# Altium PCB PCB1.PcbDoc
Units mm, origin at the board's own origin, x right, y up, seen from the top; angles counter-clockwise.
Board outline 110 x 110 mm, 2 copper layers (Top Layer, Bottom Layer); 80 components, 63 nets, 300 pads, 0 vias.
Unrouted connection lines stored in the file: 4.
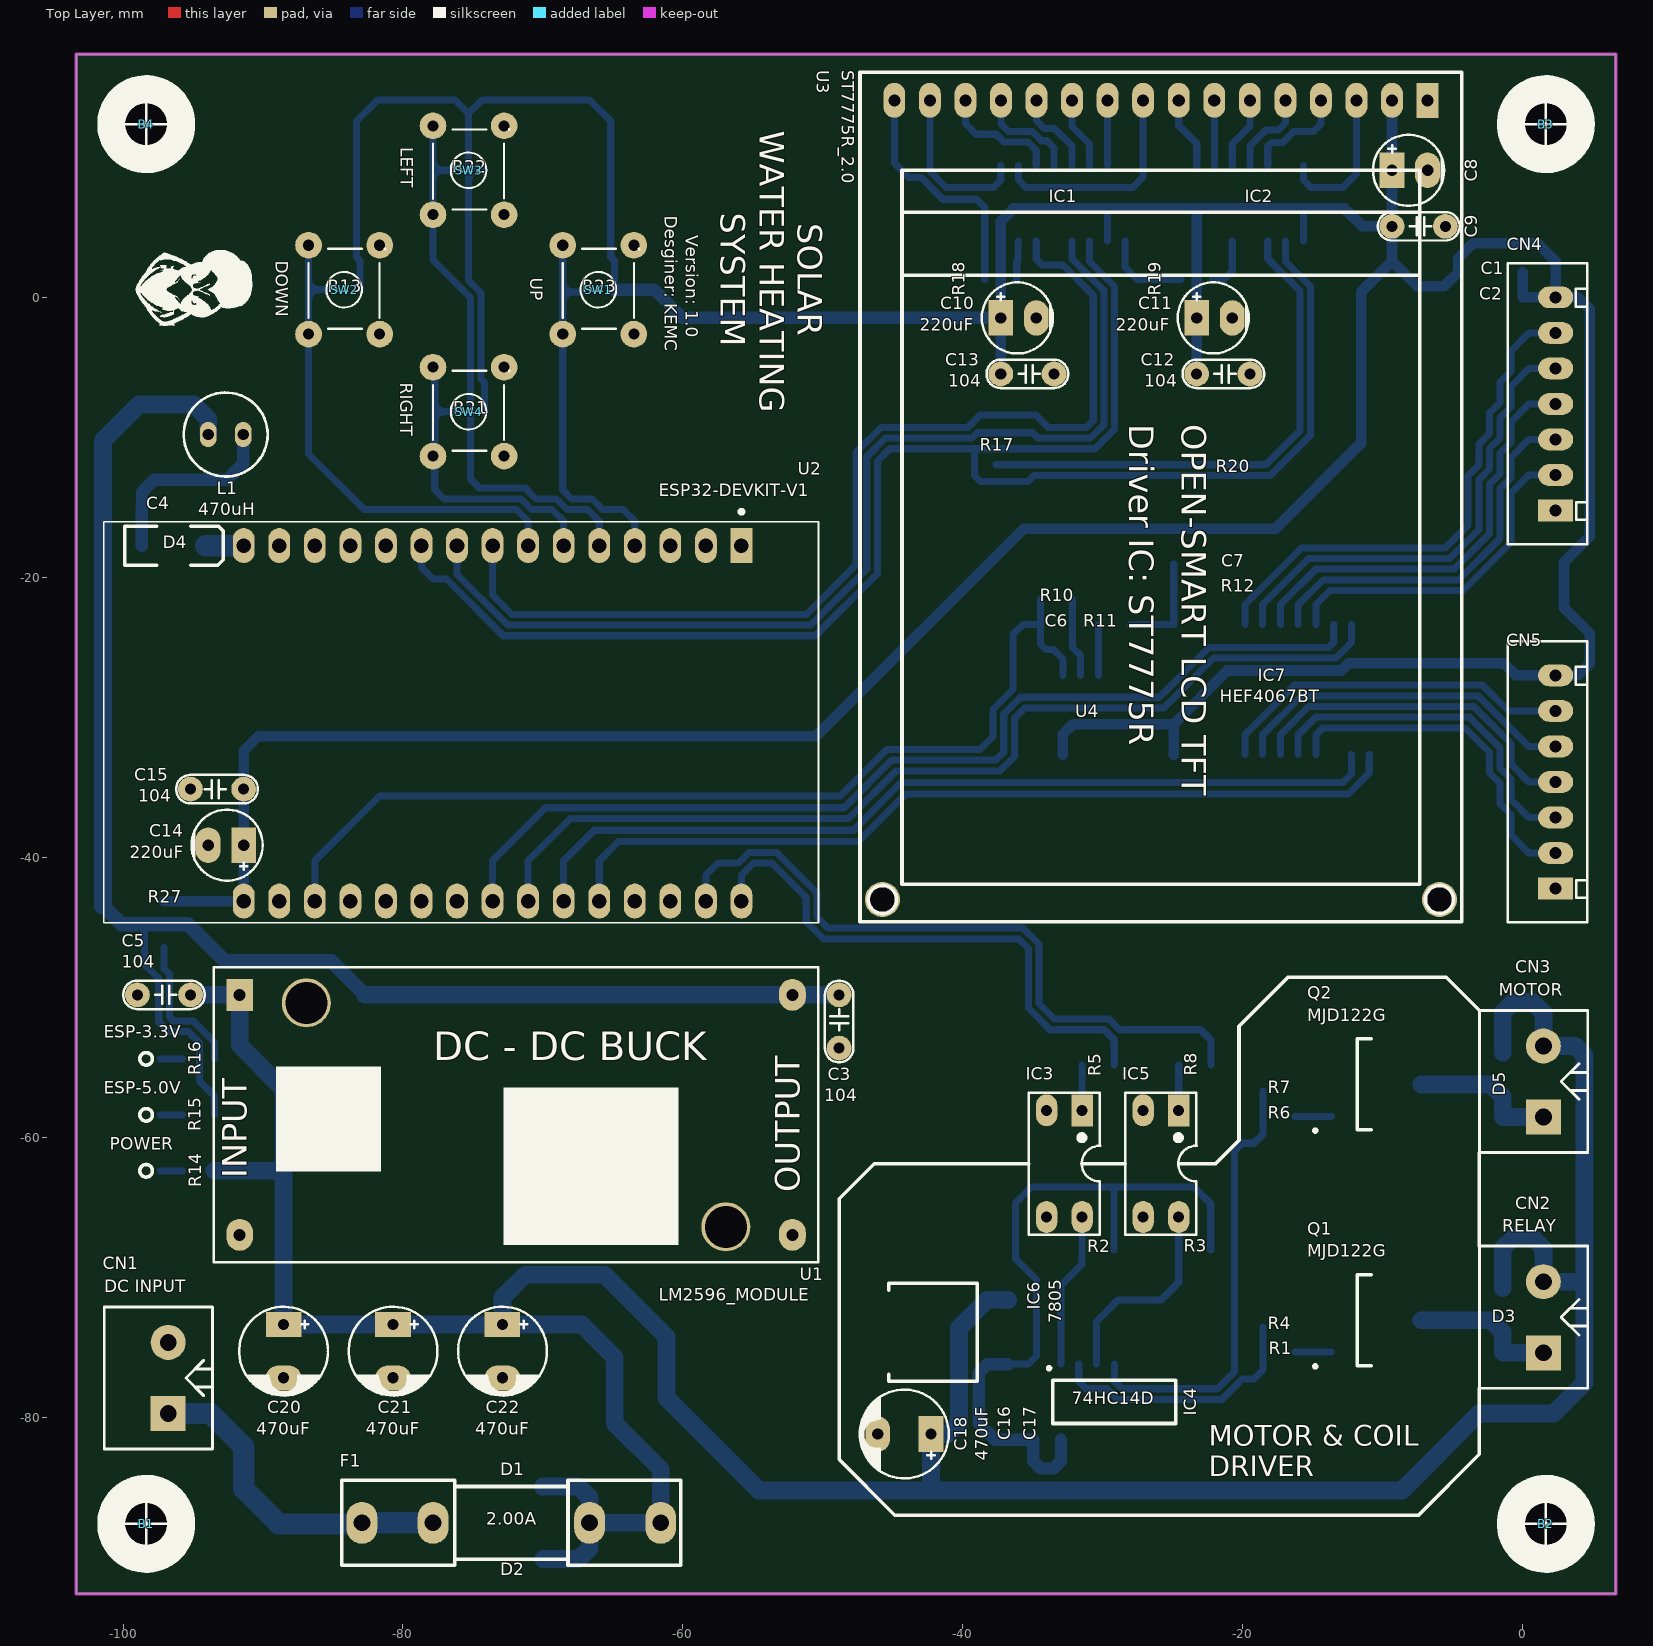
[diagram p0: Top Layer view]
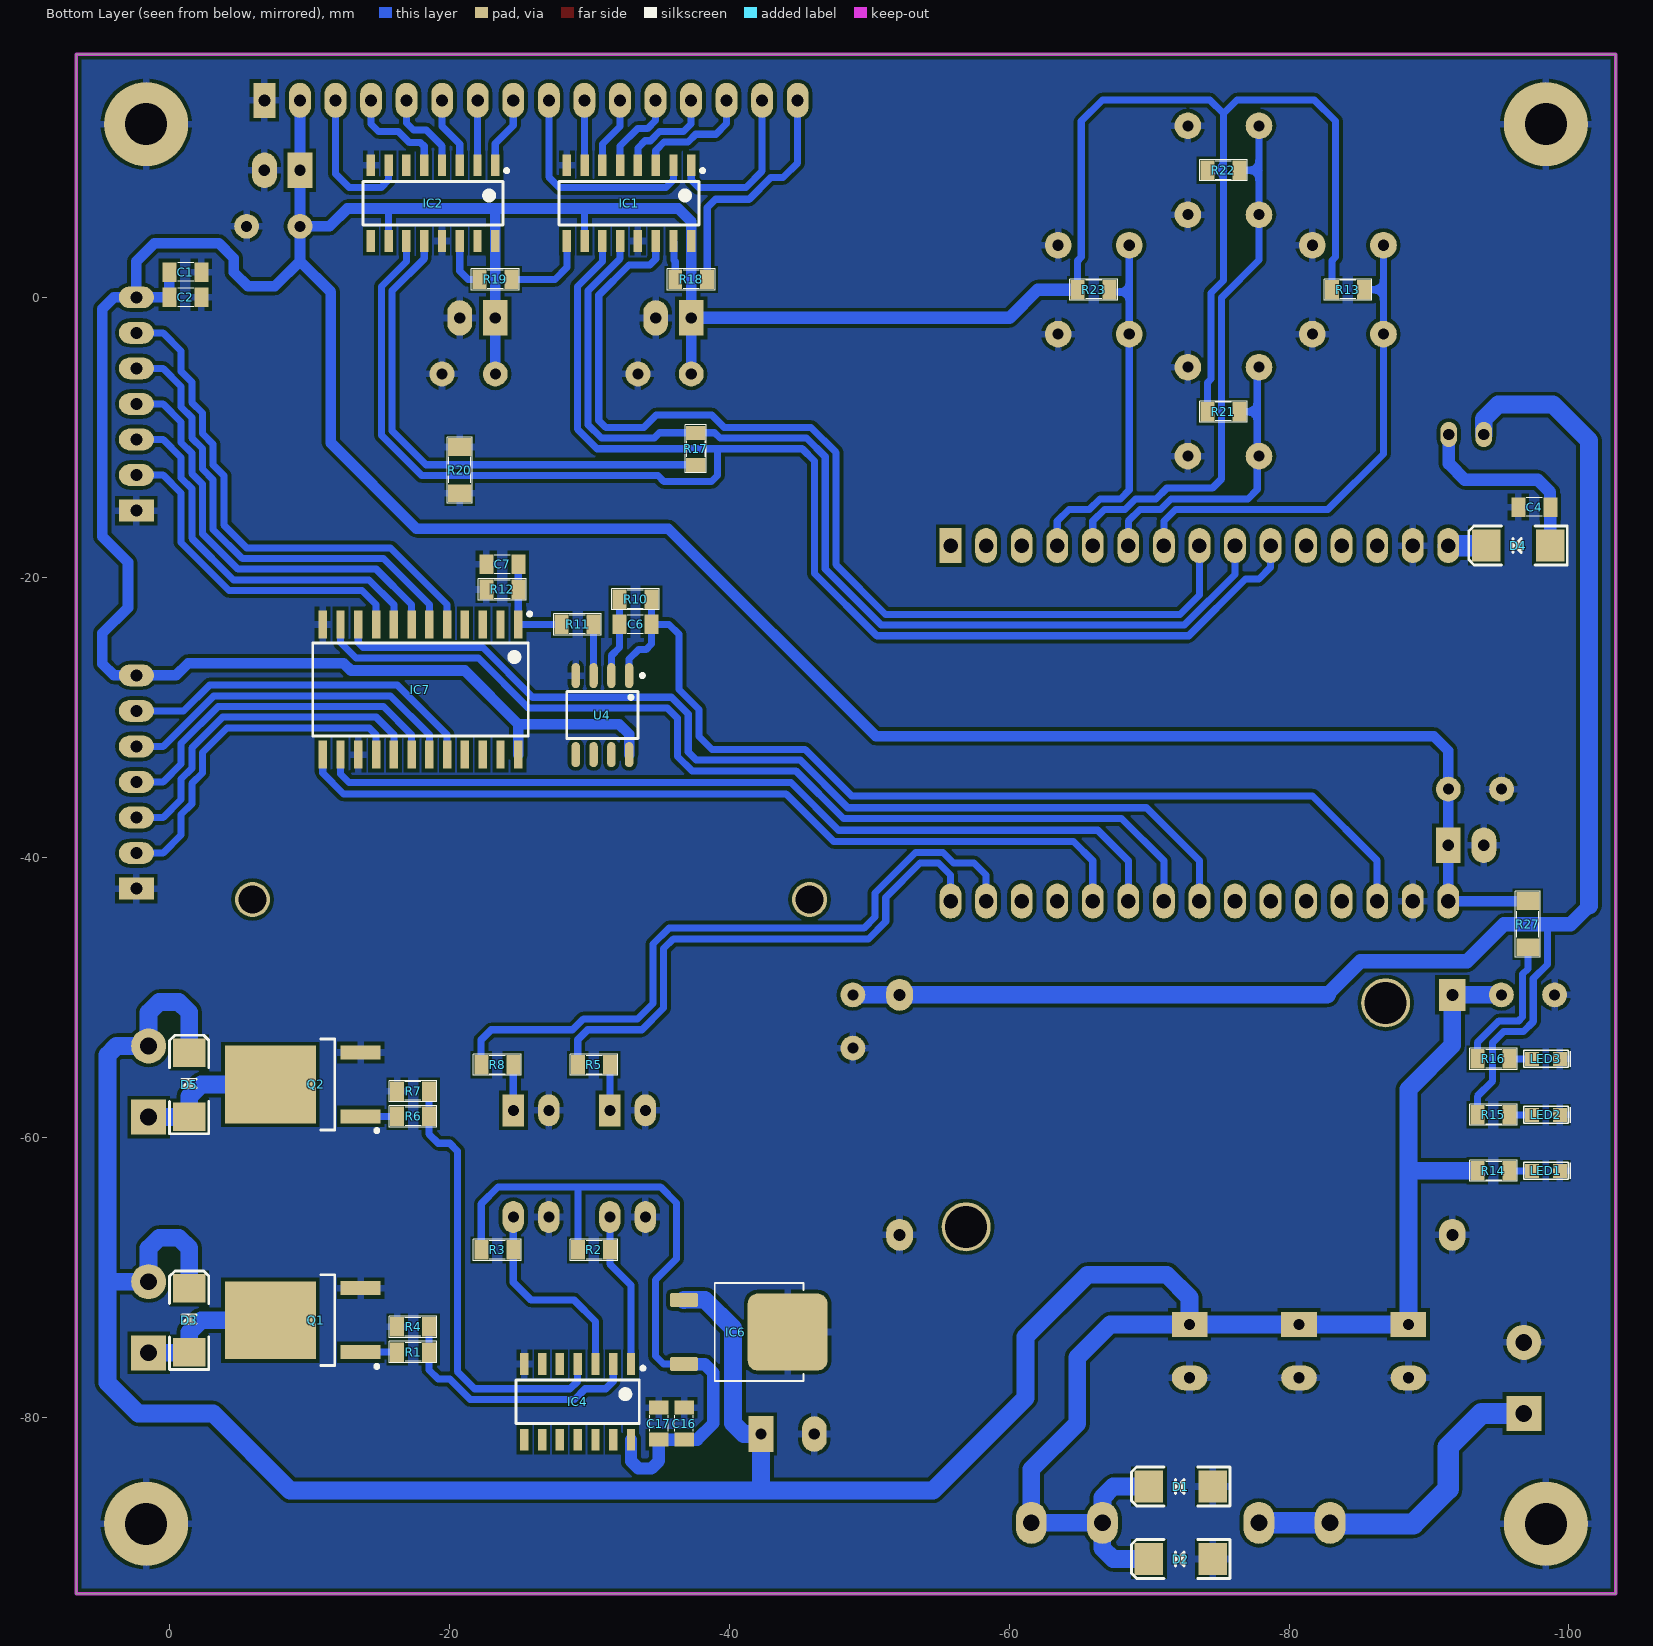
[diagram p1: Bottom Layer view, seen from below]

## Layer stack, top to bottom
Top Solder: solder mask 0.0102, Solder Resist, Dk 3.5
Top Layer: signal copper 0.0356
Dielectric 1: dielectric 0.32, FR-4, Dk 4.8
Bottom Layer: signal copper 0.0356
Bottom Solder: solder mask 0.0102, Solder Resist, Dk 3.5

## Board outline
-103.344,-92.63 6.656,-92.63 6.656,17.37 -103.344,17.37

## Design rules (kind name [scope] priority, off if disabled: settings)
Clearance [All] p1: gap=0.254 ignorepadtopadclearanceinfootprint=FALSE except(0: Arc-Hole Track-Hole SMDPad-Hole THPad-Hole Via-Hole Fill-Hole Poly-Hole Region-Hole Text-Hole)
PolygonConnect [All] p1: connectstyle=Relief reliefconductorwidth=0.508 reliefentries=4 polygonreliefangle="90 Angle" airgapwidth=0.254
RoutingVias [All] p1: holewidth=0.711 width=1.27 viastyle="Through Hole" minholewidth=0.711 minwidth=1.27 maxholewidth=0.711 maxwidth=1.27
SolderMaskExpansion [All] p1: expansion=0.102
Width [All] p1: maxlimit=1.524 minlimit=0.508 preferedwidth=0.889 minimp=50.000000 maximp=50.000000 favimp=50.000000
30 further rules are at their usual default settings.

## Components (designator, comment, footprint, x,y, rotation, side; value= is the part's Value field where it differs from the comment)
B1 "Plated Hole" MTG300_600 -98.344,-87.63 r0 top
B2 "Plated Hole" MTG300_600 1.656,-87.63 r0 top
B3 "Plated Hole" MTG300_600 1.656,12.37 r0 top
B4 "Plated Hole" MTG300_600 -98.344,12.37 r0 top
C1 "106" CAP-SMD-0805 -1.143,1.8 r0 bottom
C2 "104" CAP-SMD-0805 -1.143,0 r0 bottom
C3 "104" Cap-Non-150mil -48.835,-49.836 r270 top
C4 "106" CAP-SMD-0805 -97.519,-14.989 r180 bottom
C5 "104" Cap-Non-150mil -95.166,-49.836 r180 top
C6 "47" CAP-SMD-0805 -33.308,-23.375 r180 bottom
C7 "104" CAP-SMD-0805 -23.785,-19.075 r0 bottom
C8 "220uF" Cap-P-2.5/5 -9.333,9.075 r0 top
C9 "104" Cap-Non-150mil -5.523,5.075 r180 top
C10 "220uF" Cap-P-2.5/5 -37.288,-1.475 r0 top
C11 "220uF" Cap-P-2.5/5 -23.288,-1.475 r0 top
C12 "104" Cap-Non-150mil -19.478,-5.475 r180 top
C13 "104" Cap-Non-150mil -33.478,-5.475 r180 top
C14 "220uF" Cap-P-2.5/5 -91.376,-39.139 r180 top
C15 "104" Cap-Non-150mil -95.186,-35.139 r0 top
C16 "106" CAP-SMD-0805 -36.774,-80.471 r270 bottom
C17 "104" CAP-SMD-0805 -34.974,-80.471 r270 bottom
C18 "470uF" Cap-P-3.8/6.3 -42.269,-81.214 r180 top
C20 "470uF" Cap-P-3.8/6.3 -88.529,-73.389 r270 top
C21 "470uF" Cap-P-3.8/6.3 -80.709,-73.389 r270 top
C22 "470uF" Cap-P-3.8/6.3 -72.889,-73.389 r270 top
CN1 "DC INPUT" KF2/5.08 -96.774,-77.21 r90 top
CN2 "RELAY" KF2/5.08 1.482,-72.869 r90 top
CN3 "MOTOR" KF2/5.08 1.482,-56.03 r90 top
CN4 "Header" "Header 7P" 2.357,-7.62 r90 top
CN5 "Header" "Header 7P" 2.357,-34.63 r90 top
D1 "SS14" "SOD 106" -72.27,-84.966 r180 bottom
D2 "SS14" "SOD 106" -72.27,-90.148 r180 bottom
D3 "SS14" "SOD 106" -1.416,-73.092 r270 bottom
D4 "SS14" "SOD 106" -96.376,-17.739 r180 bottom
D5 "SS14" "SOD 106" -1.416,-56.252 r270 bottom
F1 "2.00A" Fuse-Dip1 -72.244,-87.557 r0 top
IC1 "SN74HC595D" SOIC127P600X175-16N -32.843,6.725 r270 bottom
IC2 "SN74HC595D" SOIC127P600X175-16N -18.843,6.725 r270 bottom
IC3 "FOD817DSD" DIP4 -32.741,-61.896 r180 top
IC4 "74HC14D" SOIC127P600X175-14N -29.174,-78.914 r270 bottom
IC5 "FOD817DSD" DIP4 -25.843,-61.896 r180 top
IC6 "7805" TO252 -40.474,-73.929 r270 bottom
IC7 "HEF4067BT" SOIC127P1032X265-24N -17.943,-28.025 r270 bottom
L1 "470uH" L-DIP-M-5.3 -92.664,-9.804 r0 top value="150 mH"
LED1 "POWER" LED-0805 -98.35,-62.409 r180 bottom
LED2 "ESP-5.0V" LED-0805 -98.35,-58.409 r180 bottom
LED3 "ESP-3.3V" LED-0805 -98.35,-54.409 r180 bottom
Q1 "MJD122G" TO228P991X239-3N-R552X520 -9.518,-73.079 r0 bottom
Q2 "MJD122G" TO228P991X239-3N-R552X520 -9.518,-56.24 r0 bottom
R1 "1K" RES-SMD-0805 -17.418,-75.359 r0 bottom
R2 "1K" RES-SMD-0805 -30.328,-68.056 r0 bottom
R3 "1K" RES-SMD-0805 -23.43,-68.056 r0 bottom
R4 "10K" RES-SMD-0805 -17.418,-73.559 r180 bottom
R5 "1K" RES-SMD-0805 -30.328,-54.836 r0 bottom
R6 "1K" RES-SMD-0805 -17.418,-58.52 r0 bottom
R7 "10K" RES-SMD-0805 -17.418,-56.72 r180 bottom
R8 "1K" RES-SMD-0805 -23.43,-54.836 r0 bottom
R10 "10K" RES-SMD-0805 -33.308,-21.575 r180 bottom
R11 "10K" RES-SMD-0805 -29.165,-23.375 r180 bottom
R12 "1K" RES-SMD-0805 -23.785,-20.875 r0 bottom
R13 "1K" RES-SMD-0805 -84.202,0.545 r180 bottom
R14 "1K" RES-SMD-0805 -94.6,-62.409 r0 bottom
R15 "1K" RES-SMD-0805 -94.6,-58.409 r0 bottom
R16 "1K" RES-SMD-0805 -94.6,-54.409 r0 bottom
R17 "0R" RES-SMD-0805 -37.61,-10.822 r90 bottom
R18 "0R" RES-SMD-0805 -37.288,1.275 r180 bottom
R19 "0R" RES-SMD-0805 -23.288,1.275 r180 bottom
R20 "0R" RES-SMD-1206 -20.748,-12.346 r270 bottom
R21 "1K" RES-SMD-0805 -75.312,-8.171 r180 bottom
R22 "1K" RES-SMD-0805 -75.312,9.075 r180 bottom
R23 "1K" RES-SMD-0805 -66.041,0.545 r180 bottom
R27 "0R" RES-SMD-1206 -97.062,-44.79 r90 bottom
SW1 "UP" Button-Dip4/6x6 -66.041,0.545 r90 top value="Button chip 4 pin"
SW2 "DOWN" Button-Dip4/6x6 -84.202,0.545 r90 top value="Button chip 4 pin"
SW3 "LEFT" Button-Dip4/6x6 -75.312,9.075 r90 top value="Button chip 4 pin"
SW4 "RIGHT" Button-Dip4/6x6 -75.312,-8.171 r90 top value="Button chip 4 pin"
U1 "LM2596_MODULE" LM2596_MODULE -93.508,-47.868 r0 top
U2 "ESP32-DEVKIT-V1" MODULE_ESP32-DEVKITC-32D -75.576,-30.439 r270 top
U3 "ST7775R_2.0" LCD_176X220_MODULE -7.343,9.075 r180 top
U4 "LM6132" SOIC-8S -30.943,-29.85 r270 bottom

## Footprints (in the part's own frame and the unit in brackets; to place one, negate y for a bottom-side part, rotate by r counter-clockwise, add the part's x,y. Pads: shape width x height; smd on the part's side, far side on the other; paste and mask are expansions set on the pad)
Button-Dip4/6x6 [mil] "SW button 4pin, 250 x250 mil"
  round 75 hole 31: 1(-125,100) 2(-125,-100) 3(125,-100) 4(125,100)
  silkscreen extent -110,-115 115,100, body extent -156,-122 156,122, height 276
Cap-Non-150mil [mil]
  round 70 hole 31: 1(0,0) 2(150,0)
  silkscreen extent -40,-40 190,40, body extent -40,-33 190,33, height 235
Cap-P-2.5/5 [mil] "Tu hoa < 22uF/16>50V"
  rect 70x100 hole 32: 1(0,0)
  oval 70x100 hole 32: 2(100,0)
  silkscreen extent -53,-100 147,100, body extent -49,-99 149,99, height 287
Cap-P-3.8/6.3 [mil] "Tu hoa 33 >100 uF,50V, 220uF/16V,25V ( it su dung )"
  rect 70x100 hole 32: 1(0,0)
  oval 70x100 hole 32: 2(150,0)
  silkscreen extent -50,-125 200,125, body extent -46,-121 202,127, height 434
CAP-SMD-0805 [mil]
  rect 39.37x55 smd: 1(-45,0) 2(45,0)
  silkscreen extent -23,-26 22,26, body extent -39,-25 39,25, height 30
DIP4 [mil]
  rect 60x90 hole 31: 1(-50,-150)
  oval 60x90 hole 31: 2(50,-150) 3(50,150) 4(-50,150)
  silkscreen extent -100,-200 100,200, body extent -109,-157 109,157, height 170
Fuse-Dip1 [mm]
  oval 2.2x3 hole 1.2: 1(-10.684,0) 1(-5.604,0) 2(5.579,0) 2(10.659,0)
  silkscreen extent -12.12,-3.05 12.09,3.05, body extent -10.84,-2.95 10.87,2.95, height 9.75
"Header 7P" [mm] "CON7"
  rect 1.56x2.5 hole 0.864: 1(-7.62,0)
  oval 1.56x2.5 hole 0.864: 2(-5.08,0) 3(-2.54,0) 4(0,0) 5(2.54,0) 6(5.08,0) 7(7.62,0)
  silkscreen extent -10.03,-2.26 10.06,3.4, body extent -10.05,-2.29 10.05,3.41, height 7.03
KF2/5.08 [mm]
  rect 2.5x2.5 hole 1.2: 1(-2.54,0)
  round 2.5 hole 1.2: 2(2.54,0)
  silkscreen extent -5.08,-3.18 5.08,4.57, body extent -5.6,-3 5,4.6, height 10.1
L-DIP-M-5.3 [mm] "THT Inductor, 2-Leads, Body 5.3  mm"
  oval 1.2x1.8 hole 0.8: 1(-1.25,0) 2(1.25,0)
  silkscreen extent -3,-3 3,3, body extent -2.44,-2.44 2.44,2.45, height 7.6
LCD_176X220_MODULE [mm]
  rect 1.56x2.5 hole 0.864: 1(-0.55,-5)
  oval 1.56x2.5 hole 0.864: 2(1.99,-5) 3(4.53,-5) 4(7.07,-5) 5(9.61,-5) 6(12.15,-5) 7(14.69,-5) 8(17.23,-5) 9(19.77,-5) 10(22.31,-5) 11(24.85,-5) 12(27.39,-5) 13(29.93,-5) 14(32.47,-5) 15(35.01,-5) 16(37.55,-5)
  silkscreen extent -3,-7 40,53.7
LED-0805 [mm]
  rect 1x1 smd mask+0.05: 1(-1,0) 2(1,0)
  silkscreen extent -1.6,-0.61 1.75,0.61, body extent -1.03,-0.45 1.03,0.45, height 0.85
LM2596_MODULE [mil]
  rect 75x90 hole 34: 1(72.52,-77.48)
  oval 75x90 hole 34: 2(72.52,-752.52) 3(1627.48,-752.52) 4(1627.48,-77.48)
  round 137.8 hole 118.11: ""(260,-100) ""(1440,-730)
  silkscreen extent 0,-830 1700,0, body extent 0,-833 1700,3, height 526
MODULE_ESP32-DEVKITC-32D [mm]
  rect 2.5x1.56 hole 1.04: 1(-12.7,19.76)
  oval 2.5x1.56 hole 1.04: 2(-12.7,17.22) 3(-12.7,14.68) 4(-12.7,12.14) 5(-12.7,9.6) 6(-12.7,7.06) 7(-12.7,4.52) 8(-12.7,1.98) 9(-12.7,-0.56) 10(-12.7,-3.1) 11(-12.7,-5.64) 12(-12.7,-8.18) 13(-12.7,-10.72) 14(-12.7,-13.26) 15(-12.7,-15.8) 16(12.7,-15.8) 17(12.7,-13.26) 18(12.7,-10.72) 19(12.7,-8.18) 20(12.7,-5.64) 21(12.7,-3.1) 22(12.7,-0.56) 23(12.7,1.98) 24(12.7,4.52) 25(12.7,7.06) 26(12.7,9.6) 27(12.7,12.14) 28(12.7,14.68) 29(12.7,17.22) 30(12.7,19.76)
  silkscreen extent -15.25,-25.81 14.25,25.27, body extent -14.33,-25.73 14.17,25.2, height 10.16
MTG300_600 [mm] "Plated Through Hole: Hole Dia.=3.0mm Pad Dia.=6.0mm"
  round 6 hole 3: 1(0,0)
RES-SMD-0805 [mil]
  rect 39.37x55 smd mask+1.97: 1(-45,0) 2(45,0)
  silkscreen extent -67,-30 67,30, body extent -45,-27 45,27, height 30
RES-SMD-1206 [mil]
  rect 50x65 smd: 1(-65,0) 2(65,0)
  silkscreen extent -93,-35 93,35, body extent -63,-31 63,31, height 24
"SOD 106" [mil]
  rect 80x90.55 smd: 1(90,0) 2(-90,0)
  silkscreen extent -139,-55 138,55, body extent -98,-51 98,51, height 79
SOIC127P600X175-14N [mm] "SOIC 14, Pitch 1.27mm - Body 4x8.75mm, IPC Medium Density"
  rect 1.55x0.6 smd: 1(-2.7,3.81) 2(-2.7,2.54) 3(-2.7,1.27) 4(-2.7,0) 5(-2.7,-1.27) 6(-2.7,-2.54) 7(-2.7,-3.81) 8(2.7,-3.81) 9(2.7,-2.54) 10(2.7,-1.27) 11(2.7,0) 12(2.7,1.27) 13(2.7,2.54) 14(2.7,3.81)
  silkscreen extent -2.52,-4.4 1.55,4.78, body extent -3.1,-4.37 3.1,4.38, height 1.75
SOIC127P600X175-16N [mm] "SOIC 16, Pitch 1.27mm - Body 4x10mm, IPC Medium Density"
  rect 1.55x0.6 smd: 1(-2.7,4.445) 2(-2.7,3.175) 3(-2.7,1.905) 4(-2.7,0.635) 5(-2.7,-0.635) 6(-2.7,-1.905) 7(-2.7,-3.175) 8(-2.7,-4.445) 9(2.7,-4.445) 10(2.7,-3.175) 11(2.7,-1.905) 12(2.7,-0.635) 13(2.7,0.635) 14(2.7,1.905) 15(2.7,3.175) 16(2.7,4.445)
  silkscreen extent -2.45,-5 1.55,5.37, body extent -3.1,-5 3.1,5, height 1.75
SOIC127P1032X265-24N [mm] "SOIC, 1.27mm Pitch; 24 Pin,7.50mm W X 15.40mm L X 2.65mm H Body, IPC Medium Density"
  rect 2x0.6 smd: 1(-4.65,6.985) 2(-4.65,5.715) 3(-4.65,4.445) 4(-4.65,3.175) 5(-4.65,1.905) 6(-4.65,0.635) 7(-4.65,-0.635) 8(-4.65,-1.905) 9(-4.65,-3.175) 10(-4.65,-4.445) 11(-4.65,-5.715) 12(-4.65,-6.985) 13(4.65,-6.985) 14(4.65,-5.715) 15(4.65,-4.445) 16(4.65,-3.175) 17(4.65,-1.905) 18(4.65,-0.635) 19(4.65,0.635) 20(4.65,1.905) 21(4.65,3.175) 22(4.65,4.445) 23(4.65,5.715) 24(4.65,6.985)
  silkscreen extent -5.52,-7.7 3.32,7.92, body extent -5.18,-7.8 5.18,7.8, height 1.68
SOIC-8S [mm] "SOIC, 8-Leads, Body 4.9x3.9mm, Pitch 1.27mm, IPC High Density"
  oval 1.8x0.6 smd: 1(-2.825,1.905) 2(-2.825,0.635) 3(-2.825,-0.635) 4(-2.825,-1.905) 5(2.825,-1.905) 6(2.825,-0.635) 7(2.825,0.635) 8(2.825,1.905)
  silkscreen extent -2.95,-2.55 1.68,2.98, body extent -2.99,-2.45 3,2.45, height 1.6
TO228P991X239-3N-R552X520 [mm] "TO-252AA DPAK TO, 2.28mm pitch; 2 pin,9.905mm L X 6.095mm W X 2.39mm H body, IPC Medium Density"
  rect 2.85x1 smd: 1(-4.15,2.28) 2(-4.15,-2.28)
  rect 6.5x5.55 smd: 3(2.3,0)
  silkscreen extent -5.42,-3.25 -1.3,3.42, body extent -5.22,-3.36 5.2,3.37, height 2.45
TO252 [mm]
  round 0.5 on Mech15: 0(0,0)
  rrect25% 1x2 smd: 1(-2.285,-3.7) 3(2.285,-3.7)
  rrect25% 5.5x5.7 smd: 2(0,3.7)
  silkscreen extent -3.5,-1.5 3.5,4.83, body extent -3.3,-3.95 3.3,5.76, height 2.31

## Part data
B1 B2 B3 B4: library part PLATED_HOLE3.0_PAD6.0, "Single Terminal Socket", Author="CERN DEM JLC", ComponentHeight=0mm, Component Type="Standard (No BOM)", CreateDate=5/26/2008, Family="Plated Hole", HelpURL=Undefined, LatestRevisionDate=5/26/2008, Mounted=No, PackageDescription="Plated Through Hole: Hole Dia.=3.0mm Pad Dia.=6.0mm", Part Description="Plated Through Hole: Hole Dia.=3.0mm Pad Dia.=6.0mm", Part Number=PLATED_HOLE3.0_PAD6.0, Pin Count=1, Sense=No, SMD=No, Socket=No, Status=None
C1 C2 C4 C6 C7 C16 C17: library part Cap-Non-SMD, "Non-polar capacitor"
C3 C5 C9 C12 C13 C15: library part Cap-Non-Dip, "Non-polar capacitor"
C8 C10 C11 C14 C18 C20 C21 C22: library part Cap-Pol-Dip, "Polarized capacitor"
CN1 CN2 CN3: library part "KF 2"
CN4 CN5: library part "Header 7"
D1 D2 D3 D4 D5: library part "Diode SMD", "Diode SMD"
F1: library part "Fuse Dip"
IC1 IC2: "8-Bit Shift Register With 3-State Output Register", Case=SOIC16, Manufacturer="TEXAS INSTRUMENTS", Author="CERN DEM JLC", Bonding=No, ComponentHeight=1.75mm, Component Type=Standard, CreateDate=6/5/2012, Device=SN74HC595D, HelpURL=\\cern.ch\dfs\Applications\Altium\Datasheets\SN74HC595D.pdf, LatestRevisionDate=6/5/2012, Manufacturer Part Number=SN74HC595D, Mounted=Yes, PackageDescription="SOIC 16, Pitch 1.27mm - Body 4x10mm, IPC Medium Density", Part Description="8-Bit Shift Register With 3-State Output Registers", Part Number=SN74HC595D, Pin Count=16, PressFit=No, Sense=No, SMD=Yes, Socket=No
IC3 IC5: "Single Optocoupler", Case=SOIC4, Manufacturer="FAIRCHILD SEMICONDUCTOR", Author="CERN DEM JLC", Bonding=No, ComponentHeight=4.6mm, Component Type=Standard, CreateDate=7/21/2014, Device=FOD817DSD, HelpURL=\\cern.ch\dfs\Applications\Altium\Datasheets\FOD817DSD.pdf, LatestRevisionDate=7/21/2014, Manufacturer Part Number=FOD817DSD, Mounted=Yes, PackageDescription="SOIC, 2.54mm Pitch, 4 Pin, Body 6.5mm W X 4.6mm L X 4.6mm H", Part Description="4-Pin High Operating Temperature Phototransistor Optocoupler", Part Number=FOD817DSD, Pin Count=4, PressFit=No, Sense=No, SMD=Yes, Socket=No
IC4: "Hex Schmitt-Trigger Inverter", Case=SOIC14, Manufacturer="NXP SEMICONDUCTORS", Author="CERN DEM JLC", Bonding=No, ComponentHeight=1.75mm, Component Type=Standard, CreateDate=8/26/2014, Device=74HC14D, HelpURL=\\cern.ch\dfs\Applications\Altium\Datasheets\74HC14D.pdf, LatestRevisionDate=8/26/2014, Manufacturer Part Number=74HC14D, Mounted=Yes, PackageDescription="SOIC 14, Pitch 1.27mm - Body 4x8.75mm, IPC Medium Density", Part Description="Hex  Inverterting Schmitt-Trigger", Part Number=74HC14D, Pin Count=14, PressFit=No, Sense=No, SMD=Yes, Socket=No
IC6: "Power IC, 5V-1A"
IC7: "16-Channel Analog Multiplexer/Demultiplexer", Case=SOIC24, Manufacturer="NXP SEMICONDUCTORS", Author="CERN DEM JLC", Bonding=No, ComponentHeight=2.65mm, Component Type=Standard, CreateDate=5/14/2013, Device=HEF4067BT, HelpURL=\\cern.ch\dfs\Applications\Altium\Datasheets\HEF4067BT.pdf, LatestRevisionDate=5/14/2013, Manufacturer Part Number=HEF4067BT, Mounted=Yes, PackageDescription="SOIC, 1.27mm Pitch; 24 Pin,7.50mm W X 15.40mm L X 2.65mm H Body, IPC Medium Density", Part Description="16-Channel Analog Multiplexer/Demultiplexer", Part Number=HEF4067BT, Pin Count=24, PressFit=No, Sense=No, SMD=Yes, Socket=No
L1: library part IND-DIP-1, "Inductor"
LED1 LED2 LED3: library part LED_SMD
Q1 Q2: library part MJD340G, "NPN Transistor", Case=DPAK, Manufacturer="ON SEMICONDUCTOR", Author="CERN DEM JLC", Bonding=No, ComponentHeight=2.38mm, Component Type=Standard, CreateDate=9/23/2014, Device=MJD340G, HelpURL=\\cern.ch\dfs\Applications\Altium\Datasheets\MJD340G.pdf, LatestRevisionDate=9/23/2014, Manufacturer Part Number=MJD340G, Mounted=Yes, PackageDescription="TO-252AA DPAK TO, 2.28mm pitch; 2 pin,9.905mm L X 6.095mm W X 2.39mm H body, IPC Medium Density", Part Description="300V 500mA 15W NPN High Voltage Power Transistor", Part Number=MJD340G, Pin Count=3, PressFit=No, Sense=No, SMD=Yes, Socket=No
R1 R2 R3 R4 R5 R6 R7 R8 R13 R14 R15 R16 R21 R22 R23 R27: library part "Res 1/4W", "Resistor 1/4W"
R10 R11 R12 R17 R18 R19 R20: library part "Res SMD", "Resistor SMD"
SW1 SW2 SW3 SW4: library part Button-4, "Switch button 4 pin"
U2: "- Transceiver; 802.11 b/g/n _Wi-Fi, WiFi, WLAN_, Bluetooth® Smart Ready 4.x Dual Mode For Use With ESP-WROOM-32", Package=None, Availability=Unavailable, MF="Espressif Systems", MP=ESP32-DEVKITC-32D, Price=None, SnapEDA_Link=https://www.snapeda.com/parts/ESP32-DEVKITC-32D/Espressif%20Systems/view-part/2777395/?ref=snap
U3: library part LCD_176x220_ST7775R, ComponentLink1Description=Wiki, ComponentLink1URL=http://www.lcdwiki.com/2.8inch_SPI_Module_ILI9341_SKU:MSP2807
U4: library part LM6132AIM, "Dual Low Power 10 MHz Rail-to-Rail I/O Operational Amplifier, 8-pin Narrow SOIC", Manufacturer="National Semiconductor", PackageTopMarking=NSZXTT*LM61*32AIM, PowerWise=N, Supplier Part Number 1=9490043, Code_IPC=SOIC127P600-8, Code_JEDEC=MS-012-AA, ComponentLink1Description="LM6132 Datasheet", ComponentLink1URL=http://www.national.com/ds/LM/LM6132.pdf, ComponentLink2Description="LM6132 Web Page", ComponentLink2URL=http://www.national.com/pf/LM/LM6132.html, ComponentLink3Description="M08A Package Page", ComponentLink3URL=http://www.national.com/packaging/folders/m08a.html, CompType=Amplifiers, DatasheetVersion=Nov-2004, LatestRevisionDate=13-Jan-2009, LatestRevisionNote="Sim Model Added.", PackageDescription="SOIC Narrow, 4.9 x 3.9 x 1.45mm, 8 Lead, 1.27mm Pitch", PackageReference=M08A, PackageVersion="revM, May-2009", PartNumber=LM6132AIM, PinCount=8, Published=4-Dec-2008, Publisher="Altium Limited", RoHS=N, Supplier 1=Farnell
U1: ComponentLink1Description=DATASHEET, ComponentLink1URL=http://tpelectronic.ir/datasheets/20150123144301750.pdf

## Free pads (board coordinates)
  round 2.5 hole 2: 2(-45.743,-43.025) 2(-5.943,-43.025)

## Nets (pads, with @x,y where several pads share a name; then routed paths per layer and width w, separated by ;. In a path a pad name is that pad's centre, name@x,y a point inside that pad or via, vN(x,y) a via of type N, cw(c..) or ccw(c..) an arc to the next point about the centre after c; other vN are vias at no path point)
+3.3V: C1.2 C2.2 C8.1 C9.2 C10.1 C11.1 C12.2 C13.2 C14.1 C15.2 CN4.7 CN5.7 IC1.10 IC1.16 IC2.10 IC2.16 IC7.24 R13.1 R16.2 R21.1 R22.1 R23.1 R27.1 R27.2 U2.16 U3.2 U4.8 | length 388.5
  Bottom Layer w0.508: R27.1@-97.064,-46.441 -97.064,-47.979 -96.687,-48.357 -96.687,-51.416 -96.411,-51.692 -95.011,-51.692 -93.45,-53.253 R16.2@-93.45,-54.409 ; R13.1 -83.059,2.616 -83.313,2.87 -83.313,12.587 -81.8,14.1 -76.285,14.1 -75.312,13.127 ; R21.1 -74.169,-6.1 -74.423,-5.846 -74.423,0.306 -75.312,1.195 -75.312,9.075 ; R22.1 -75.312,9.075 ; R23.1 -64.898,2.616 -65.152,2.87 -65.152,12.587 -66.665,14.1 -74.339,14.1 -75.312,13.127 ; IC1.10 -29.668,6.349 ; IC2.10 -15.668,6.349 ; -75.312,9.075 -75.312,13.127
  Bottom Layer w0.762: R27.2@-97.071,-43.139 R27.2 U2.16 C14.1 C15.2 -91.376,-32.394 -90.335,-31.353 -50.482,-31.353 -35.654,-16.525 -17.658,-16.525 -11.543,-10.41 -11.543,0.375 -9.333,2.585 ; C13.2 C10.1 IC1.16 -37.288,5.414 -36.352,6.349 -29.668,6.349 -23.288,6.349 ; U4.8 -32.848,-31.215 -32.128,-30.495 -24.928,-30.495 ; IC7.24 -24.928,-30.495 ; C12.2 C11.1 IC2.16 -23.288,6.349 ; U3.2 C8.1 C9.2 ; C1.2 C2.2 CN4.7 ; -24.928,-30.495 -21.102,-26.669 -12.974,-26.669 -12.446,-26.14 -1.343,-26.14 -0.473,-27.01 CN5.7 3.958,-27.01 4.792,-26.175 4.792,-24.01 2.957,-22.175 2.957,-18.925 4.792,-17.089 4.792,-0.835 3.958,0 CN4.7 ; -23.288,6.349 -15.668,6.349 -12.721,6.349 -11.447,5.075 C9.2 ; -9.333,2.585 -7.529,0.782 -5.618,0.782 -4.6,1.8 -4.6,2.8 -3.54,3.86 1.057,3.86 2.357,2.56 CN4.7 ; -9.333,2.585 C9.2
  Bottom Layer w0.889: R23.1 -62.045,0.545 -60.025,-1.475 C10.1
+5V: C16.2 C17.2 IC4.14 IC6.3 R2.2 R3.2 | length 52.4
  Bottom Layer w0.508: IC6.3 -35.314,-76.214 -34.733,-75.633 -34.733,-70.197 -36.233,-68.696 -36.233,-64.699 -35.103,-63.568 -29.185,-63.568 ; R2.2 -29.185,-63.568 ; R3.2 -22.287,-64.768 -23.486,-63.568 -29.185,-63.568
  Bottom Layer w0.889: IC6.3 -38.244,-76.214 -38.874,-76.844 -38.874,-80.444 -37.704,-81.614 C16.2 C17.2 -34.974,-83.139 -34.436,-83.677 -33.506,-83.677 -32.984,-83.155 IC4.14
+12V: C5.1 C18.1 C20.1 C21.1 C22.1 CN2.2 CN3.2 D1.2 D2.2 D3.2 D5.2 F1.2 IC6.1 R14.2 U1.1 | length 243.7
  Bottom Layer w1.27: C5.1 U1.1 -91.666,-53.444 -88.529,-56.581 -88.529,-62.409 ; R14.2 -88.529,-62.409 ; D1.2 -67.444,-84.966 -66.666,-85.745 -66.666,-87.557 F1.2@-66.656,-87.557 ; D2.2@-69.974,-90.145 -67.434,-90.145 -66.656,-89.367 F1.2@-66.656,-87.557 ; IC6.1 -36.789,-71.629 -38.259,-71.629 -40.274,-73.644 -40.274,-80.444 -41.044,-81.214 C18.1 -42.269,-85.244 ; D3.2 -1.416,-67.926 -0.674,-67.184 0.726,-67.184 1.482,-67.94 CN2.2 4.426,-70.329 ; D5.2 -1.416,-51.087 -0.674,-50.344 0.726,-50.344 1.482,-51.101 CN3.2 3.771,-53.49 4.426,-54.144 4.426,-70.329 ; -88.529,-62.409 C20.1 C21.1 C22.1 ; C22.1 -72.889,-71.466 -71.262,-69.839 -65.591,-69.839 -61.162,-74.268 -61.162,-78.639 -54.556,-85.244 -42.269,-85.244 ; C22.1 -67.221,-73.389 -64.862,-75.748 -64.862,-80.462 -61.586,-83.739 -61.586,-87.557 F1.2@-66.656,-87.557 ; -42.269,-85.244 -8.623,-85.244 -3.129,-79.75 2.226,-79.75 4.426,-77.55 4.426,-70.329
A0: IC7.10 U2.23 | length 72.3
  Bottom Layer w0.508: U2.23 -73.596,-40.256 -69.809,-36.468 -66.473,-36.468 -48.473,-36.468 -45.073,-33.068 -37.649,-33.068 -37.073,-32.492 -37.073,-29.762 -35.885,-28.575 -25.957,-28.575 -22.4,-25.018 -13.851,-25.018 -13.498,-24.665 IC7.10
A1: IC7.11 U2.24 | length 71.1
  Bottom Layer w0.508: U2.24 -71.056,-40.256 -68.031,-37.23 -66.157,-37.23 -48.157,-37.23 -44.757,-33.83 -37.333,-33.83 -36.311,-32.808 -36.311,-30.078 -35.57,-29.337 -25.641,-29.337 -22.084,-25.78 -13.343,-25.78 -12.228,-24.665 IC7.11
A2: IC7.14 U2.25 | length 63.1
  Bottom Layer w0.508: U2.25 -68.516,-40.256 -66.335,-38.075 -65.808,-38.075 -47.808,-38.075 -44.408,-34.675 -12.838,-34.675 -12.228,-34.065 IC7.14
A3: IC7.13 U2.26 | length 61.8
  Bottom Layer w0.508: U2.26 -65.976,-40.256 -64.608,-38.887 -47.471,-38.887 -44.071,-35.487 -12.45,-35.487 -10.958,-33.995 IC7.13
ADC: C6.2 R10.2 U2.18 U4.1 | length 71.6
  Bottom Layer w0.508: U2.18 -86.296,-40.256 -81.671,-35.63 -71.608,-35.63 -48.751,-35.63 -45.427,-32.306 -38.769,-32.306 -37.835,-31.372 -37.835,-29.446 -36.408,-28.019 -36.408,-24.075 -35.708,-23.375 C6.2 ; R10.2 C6.2 ; U4.1 -32.848,-25.835 -33.508,-25.175 -34.051,-25.175 -34.451,-24.775 C6.2
ANALOG: C7.1 IC7.1 R11.1 R12.1 | length 7.4
  Bottom Layer w0.508: R11.1 IC7.1 R12.1 C7.1
BD: R13.2 SW2.1 SW2.4 U2.7 | length 35.7
  Bottom Layer w0.508: SW2.4 -86.742,0.545 ; R13.2 -86.742,0.545 ; U2.7 -71.056,-15.991 -71.887,-15.16 -82.766,-15.16 -86.742,-11.184 SW2.1 -86.742,0.545
BL: R22.2 SW3.1 SW3.4 U2.5 | length 39.9
  Bottom Layer w0.508: SW3.4 -77.852,9.075 ; R22.2 -77.852,9.075 ; U2.5 -65.976,-15.991 -66.807,-15.16 -68.269,-15.16 -69.031,-14.398 -70.493,-14.398 -71.255,-13.636 -74.515,-13.636 -75.185,-12.967 -75.185,-0.01 -77.852,2.657 SW3.1 -77.852,9.075
BR: R21.2 SW4.1 SW4.4 U2.6 | length 22
  Bottom Layer w0.508: SW4.4@-77.725,-4.996 -77.725,-8.171 ; R21.2@-76.328,-8.171 -77.725,-8.171 ; U2.6 -68.516,-15.991 -69.347,-15.16 -70.809,-15.16 -71.571,-14.398 -77.055,-14.398 -77.725,-13.729 -77.725,-11.346 -77.725,-8.171
BU: R23.2 SW1.1 SW1.4 U2.4 | length 26.5
  Bottom Layer w0.508: SW1.4@-68.581,3.553 -68.581,0.378 ; R23.2@-67.184,0.378 -68.581,0.378 ; U2.4 -63.436,-15.991 -64.267,-15.16 -65.729,-15.16 -66.491,-14.398 -67.953,-14.398 -68.581,-13.771 -68.581,-2.797 -68.581,0.378
BUCK: C3.1 L1.1 R15.2 U1.4 | length 115.1
  Bottom Layer w0.508: -98.455,-44.79 -98.455,-47.667 -97.449,-48.673 -97.449,-51.754 -96.749,-52.454 -95.333,-52.454 -94.549,-53.239 -94.549,-55.989 -93.45,-57.087 R15.2@-93.45,-58.409
  Bottom Layer w1.016: -101.427,-43.466 -100.104,-44.79 -98.455,-44.79 -95.367,-44.79 -92.717,-47.439 -85.107,-47.439 -82.71,-49.836
  Bottom Layer w1.27: -101.427,-43.466 -101.427,-10.226 -98.864,-7.663 -94.941,-7.663 -93.912,-8.692 L1.1@-93.912,-9.822 ; -82.71,-49.836 -52.151,-49.836 C3.1@-48.816,-49.836
GND: B1.1 B2.1 B3.1 B4.1 C1.1 C2.1 C3.2 C4.1 C5.2 C7.2 C8.2 C9.1 C10.2 C11.2 C12.1 C13.1 C14.2 C15.1 C16.1 C17.1 C18.2 C20.2 C21.2 C22.2 CN1.2 CN4.1 CN5.1 D1.1 D2.1 IC1.8 IC1.13 IC2.8 IC2.13 IC3.2 IC3.3 IC4.7 IC5.2 IC5.3 IC6.2 IC7.12 IC7.15 LED1.2 LED2.2 LED3.2 Q1.2 Q2.2 R4.1 R7.1 R12.2 R20.1 R20.2 SW1.2 SW1.3 SW2.2 SW2.3 SW3.2 SW3.3 SW4.2 SW4.3 U1.2 U1.3 U2.14 U2.17 U3.1 U4.4
LCD_CS: IC2.7 U3.3 | length 10.7
  Bottom Layer w0.508: IC2.7 -15.668,8.372 -15.144,7.848 -12.852,7.848 -11.873,8.828 U3.3
LCD_DB0: IC1.2 U3.9 | length 16
  Bottom Layer w0.508: IC1.2 -36.018,8.372 -35.494,7.848 -27.852,7.848 -27.113,8.588 U3.9
LCD_DB1: IC1.7 U3.10 | length 4.7
  Bottom Layer w0.508: IC1.7 -29.668,14.06 U3.10
LCD_DB2: IC1.6 U3.11 | length 5.2
  Bottom Layer w0.508: U3.11 -32.193,12.209 -30.938,10.954 IC1.6
LCD_DB3: IC1.5 U3.12 | length 6.1
  Bottom Layer w0.508: U3.12 -34.733,12.629 -34.152,12.049 -33.452,12.049 -32.208,10.804 IC1.5
LCD_DB4: IC1.4 U3.13 | length 7.4
  Bottom Layer w0.508: U3.13 -37.273,12.389 -36.733,11.849 -35.03,11.849 -34.368,11.187 -33.99,11.187 -33.478,10.674 IC1.4
LCD_DB5: IC1.3 U3.14 | length 8.6
  Bottom Layer w0.508: U3.14 -39.813,12.409 -39.052,11.649 -37.61,11.649 -37.048,11.087 -35.346,11.087 -34.748,10.489 IC1.3
LCD_DB6: IC1.1 U3.15 | length 11.9
  Bottom Layer w0.508: U3.15 -42.353,9.011 -41.189,7.848 -37.811,7.848 -37.288,8.372 IC1.1
LCD_DB7: IC1.15 R18.1 R18.2 U3.16 | length 20.2
  Bottom Layer w0.508: U3.16 -44.893,9.589 -43.852,8.549 -42.968,8.549 -41.427,7.008 -39.012,7.008 -38.431,6.426 R18.2 ; R18.1 -36.145,2.556 -36.052,2.648 -36.052,3.99 IC1.15
LCD_EXT: IC1.9 IC2.14 R19.1 R19.2 | length 10
  Bottom Layer w0.508: IC1.9@-28.39,4.018 IC1.9 -28.398,2.12 -27.552,1.275 R19.2 ; R19.1 -21.352,1.275 -20.748,1.88 IC2.14
LCD_LED: IC2.1 U3.8 | length 5.2
  Bottom Layer w0.508: U3.8 -24.573,12.269 -23.288,10.984 IC2.1
LCD_RD: IC2.3 U3.6 | length 5.2
  Bottom Layer w0.508: IC2.3 -20.748,10.954 -19.493,12.209 U3.6
LCD_RS: IC2.5 U3.4 | length 7.5
  Bottom Layer w0.508: IC2.5 -18.208,10.794 -17.952,11.049 -17.152,11.049 -16.352,11.849 -14.952,11.849 -14.413,12.389 U3.4
LCD_RST: IC2.2 U3.7 | length 4.7
  Bottom Layer w0.508: U3.7 -22.018,14.06 IC2.2
LCD_WR: IC2.4 U3.5 | length 6.2
  Bottom Layer w0.508: IC2.4 -19.478,10.824 -18.352,11.949 -17.452,11.949 -16.953,12.449 U3.5
LEVEL1: CN5.2 IC7.16 | length 25
  Bottom Layer w0.508: IC7.16 -14.768,-31.25 -14.279,-30.761 -4.119,-30.761 -2.367,-32.514 -2.367,-33.976 -1.605,-34.738 -1.605,-36.201 -0.843,-36.963 -0.843,-38.425 0.442,-39.71 CN5.2
LEVEL2: CN5.3 IC7.17 | length 25
  Bottom Layer w0.508: IC7.17 -16.038,-31.25 -14.787,-29.999 -3.804,-29.999 -1.605,-32.198 -1.605,-33.661 -0.843,-34.423 -0.843,-35.885 0.442,-37.17 CN5.3
LEVEL3: CN5.4 IC7.18 | length 25
  Bottom Layer w0.508: IC7.18 -17.308,-31.25 -15.295,-29.237 -3.488,-29.237 -0.843,-31.883 -0.843,-33.345 0.442,-34.63 CN5.4
LEVEL4: CN5.5 IC7.19 | length 25
  Bottom Layer w0.508: IC7.19 -18.578,-31.25 -15.803,-28.475 -3.173,-28.475 0.442,-32.09 CN5.5
LEVEL5: CN5.6 IC7.20 | length 25.9
  Bottom Layer w0.508: IC7.20 -19.848,-31.25 -16.311,-27.713 -2.857,-27.713 -1.02,-29.55 CN5.6
MC: R8.2 U2.29 | length 49.4
  Bottom Layer w0.508: U2.29 -58.356,-41.283 -57.497,-40.424 -56.034,-40.424 -55.272,-39.662 -53.32,-39.662 -50.423,-42.559 -50.423,-44.281 -49.63,-45.075 -35.691,-45.075 -34.552,-46.214 -34.552,-50.466 -33.447,-51.571 -29.575,-51.571 -28.813,-52.333 -22.993,-52.333 -22.28,-53.046 R8.2@-22.28,-54.836
NetC6_1: C6.1 R10.1 U4.2 | length 5.7
  Bottom Layer w0.508: R10.1 C6.1 -32.165,-25.018 -31.578,-25.605 U4.2
NetCN1_1: CN1.1 F1.1 | length 24
  Bottom Layer w1.524: CN1.1 -93.75,-79.75 -91.362,-82.139 -91.362,-85.139 -88.862,-87.639 -83.01,-87.639 -82.928,-87.557 F1.1@-77.848,-87.557
NetCN2_1: CN2.1 D3.1 Q1.3 | length 10.5
  Bottom Layer w1.27: Q1.3 -2.279,-73.079 -1.416,-73.942 D3.1 -1.385,-75.409 CN2.1
NetCN3_1: CN3.1 D5.1 Q2.3 | length 10.5
  Bottom Layer w1.27: Q2.3 -2.279,-56.24 -1.416,-57.102 D5.1 -1.385,-58.57 CN3.1
NetD4_2: D4.2 U2.15 | length 2.7
  Bottom Layer w1.524: D4.2 U2.15
NetIC3_1: IC3.1 R5.1 | length 3.3
  Bottom Layer w0.508: IC3.1 R5.1
NetIC3_4: IC3.4 IC4.1 R2.1 | length 11.1
  Bottom Layer w0.508: IC4.1 -32.984,-70.584 -31.471,-69.071 R2.1 IC3.4
NetIC4_2: IC4.2 R1.1 R4.2 | length 18.9
  Bottom Layer w0.508: IC4.2 -31.714,-77.444 -31.176,-77.982 -29.713,-77.982 -28.951,-78.744 -21.496,-78.744 -20.035,-77.283 -19.213,-77.283 -18.561,-76.631 R1.1 R4.2
NetIC4_3: IC4.3 IC5.4 R3.1 | length 14.7
  Bottom Layer w0.508: IC4.3 -30.444,-73.166 -28.931,-71.652 -25.857,-71.652 -24.573,-70.367 R3.1 IC5.4
NetIC4_4: IC4.4 R6.1 R7.2 | length 31.9
  Bottom Layer w0.508: IC4.4 -29.174,-77.444 -28.636,-77.982 -21.812,-77.982 -20.574,-76.744 -20.574,-60.982 -20.035,-60.444 -19.213,-60.444 -18.561,-59.792 R6.1 R7.2
NetIC5_1: IC5.1 R8.1 | length 3.3
  Bottom Layer w0.508: IC5.1 R8.1
NetLED1_1: LED1.1 R14.1 | length 1.6
  Bottom Layer w0.508: LED1.1 R14.1
NetLED2_1: LED2.1 R15.1 | length 1.6
  Bottom Layer w0.508: LED2.1 R15.1
NetLED3_1: LED3.1 R16.1 | length 1.6
  Bottom Layer w0.508: LED3.1 R16.1
NetQ1_1: Q1.1 R1.2 | length 2.6
  Bottom Layer w0.508: R1.2 Q1.1
NetQ2_1: Q2.1 R6.2 | length 2.6
  Bottom Layer w0.508: R6.2 Q2.1
NetR11_2: R11.2 U4.3 | length 3.7
  Bottom Layer w0.508: U4.3 R11.2
RC: R5.2 U2.30 | length 39.4
  Bottom Layer w0.508: U2.30 -55.816,-41.283 -54.957,-40.424 -53.636,-40.424 -51.185,-42.875 -51.185,-44.597 -49.946,-45.837 -36.006,-45.837 -35.314,-46.529 -35.314,-50.782 -33.763,-52.333 -29.891,-52.333 -29.178,-53.046 R5.2@-29.178,-54.836
RCLK: IC1.12 IC2.12 R17.1 R17.2 U2.9 | length 112
  Bottom Layer w0.508: U2.9 -76.136,-19.8 -72.514,-23.421 -50.861,-23.421 -46.859,-19.419 -46.859,-11.391 -45.528,-10.06 -39.33,-10.06 -38.949,-9.679 R17.2 -35.025,-9.679 -34.644,-10.06 -30.868,-10.06 -29.914,-9.106 -29.914,0.466 -32.208,2.76 IC1.12 ; R17.1 -18.343,-11.965 -15.914,-9.536 -15.914,0.466 -18.208,2.76 IC2.12
SER: IC1.14 U2.8 | length 73.6
  Bottom Layer w0.508: U2.8 -73.596,-21.262 -72.199,-22.659 -71.056,-22.659 -51.177,-22.659 -47.621,-19.103 -47.621,-11.075 -45.844,-9.298 -39.646,-9.298 -38.757,-8.409 -34.788,-8.409 -33.899,-9.298 -31.184,-9.298 -30.676,-8.79 -30.676,0.151 -32.837,2.311 -34.319,2.311 -34.748,2.74 IC1.14
SRCLK: IC1.11 IC2.11 U2.10 | length 120.2
  Bottom Layer w0.508: U2.10 -78.676,-19.291 -77.851,-20.116 -76.898,-20.116 -72.83,-24.183 -71.056,-24.183 -50.546,-24.183 -46.097,-19.735 -46.097,-11.706 -45.213,-10.822 -39.152,-10.822 ; IC1.11 -30.938,2.567 -29.152,0.782 -29.152,-9.422 -30.552,-10.822 -39.152,-10.822 ; IC2.11 -16.938,2.567 -15.152,0.782 -15.152,-9.852 -18.027,-12.727 -34.904,-12.727 -35.329,-13.152 -38.727,-13.152 -39.152,-12.727 -39.152,-10.822
TEMP1: CN4.2 IC7.9 | length 24.5
  Bottom Layer w0.508: IC7.9 -14.768,-21.95 -13.767,-20.949 -4.267,-20.949 -0.843,-17.525 -0.843,-13.985 0.442,-12.7 CN4.2
TEMP2: CN4.3 IC7.8 | length 27.6
  Bottom Layer w0.508: IC7.8 -16.038,-21.95 -14.275,-20.187 -4.582,-20.187 -1.605,-17.209 -1.605,-13.669 -0.843,-12.907 -0.843,-11.445 0.442,-10.16 CN4.3
TEMP3: CN4.4 IC7.7 | length 30.8
  Bottom Layer w0.508: IC7.7 -17.308,-21.95 -14.783,-19.425 -4.898,-19.425 -2.367,-16.893 -2.367,-13.353 -1.605,-12.591 -1.605,-11.129 -0.843,-10.367 -0.843,-8.905 0.442,-7.62 CN4.4
TEMP4: CN4.5 IC7.6 | length 34
  Bottom Layer w0.508: IC7.6 -18.578,-21.95 -15.291,-18.663 -5.213,-18.663 -3.129,-16.578 -3.129,-13.038 -2.367,-12.276 -2.367,-10.813 -1.605,-10.051 -1.605,-8.589 -0.843,-7.827 -0.843,-6.365 0.442,-5.08 CN4.5
TEMP5: CN4.6 IC7.5 | length 37.2
  Bottom Layer w0.508: IC7.5 -19.848,-21.95 -15.799,-17.901 -5.529,-17.901 -3.891,-16.262 -3.891,-12.722 -3.129,-11.96 -3.129,-10.498 -2.367,-9.736 -2.367,-8.273 -1.605,-7.511 -1.605,-6.049 -0.843,-5.287 -0.843,-3.825 0.442,-2.54 CN4.6
V_ESPU: C4.2 D4.1 L1.2 | length 13.9
  Bottom Layer w0.889: D4.1 -98.662,-15.05 -98.644,-15.032 -98.644,-13.911 -97.773,-13.04 -92.566,-13.04 -91.414,-11.888 L1.2@-91.414,-9.865
pads on no net: IC2.6 IC2.9 IC2.15 IC4.5 IC4.6 IC4.8 IC4.9 IC4.10 IC4.11 IC4.12 IC4.13 IC6.0 IC7.2 IC7.3 IC7.4 IC7.21 IC7.22 IC7.23 U1. U2.1 U2.2 U2.3 U2.11 U2.12 U2.13 U2.19 U2.20 U2.21 U2.22 U2.27 U2.28 U4.5 U4.6 U4.7

## Polygon pours and split planes (outlines as drawn)
GND on Bottom Layer "GLOBAL_GND" (solid, remove dead copper, pour order 0): -103.344,17.37 -103.344,-92.63 6.656,-92.63 6.656,17.37

## Keep-outs
Keep-Out Layer:
  the board outline again, w0.254

## Silkscreen, mask and mechanical layers (free items; w line width, h text height)
Top Overlay:
  drawing of 57 lines, arcs and shapes, not listed
  text "WATER HEATING" at -55.064,11.918 h3 r270
  text "SYSTEM" at -57.853,6.048 h3 r270
  text "Desginer: KEMC" at -61.596,5.838 h1.5 r270
  text "SOLAR" at -52.353,5.308 h3 r270
  text "Version: 1.0" at -60.072,4.437 h1.5 r270
  text "MOTOR & COIL" at -22.423,-82.566 h2.5
  text "DRIVER" at -22.423,-84.725 h2.5

## Text inside footprints (layer, text, board x,y; h text height)
U1: Top Overlay "DC - DC BUCK" at -77.828,-55.2 h3.5; Top Overlay "INPUT" at -90.578,-62.95 h3 r90; Top Overlay "OUTPUT" at -51.078,-63.95 h3 r90
U3: Top Overlay "OPEN-SMART LCD TFT" at -24.939,-9.06 h3 r270; Top Overlay "Driver IC: ST7775R" at -28.694,-9.06 h3 r270